# Altium PCB cyber60-alps-bkplate.PcbDoc
Units mm, origin at the board's own origin, x right, y up, seen from the top; angles counter-clockwise.
Board outline 285.75 x 95.25 mm, 2 copper layers (Component Side, Bottom Layer), stack 1.571 mm thick; 9 components, 142 nets, 27 pads, 0 vias.
Unrouted connection lines stored in the file: 6.
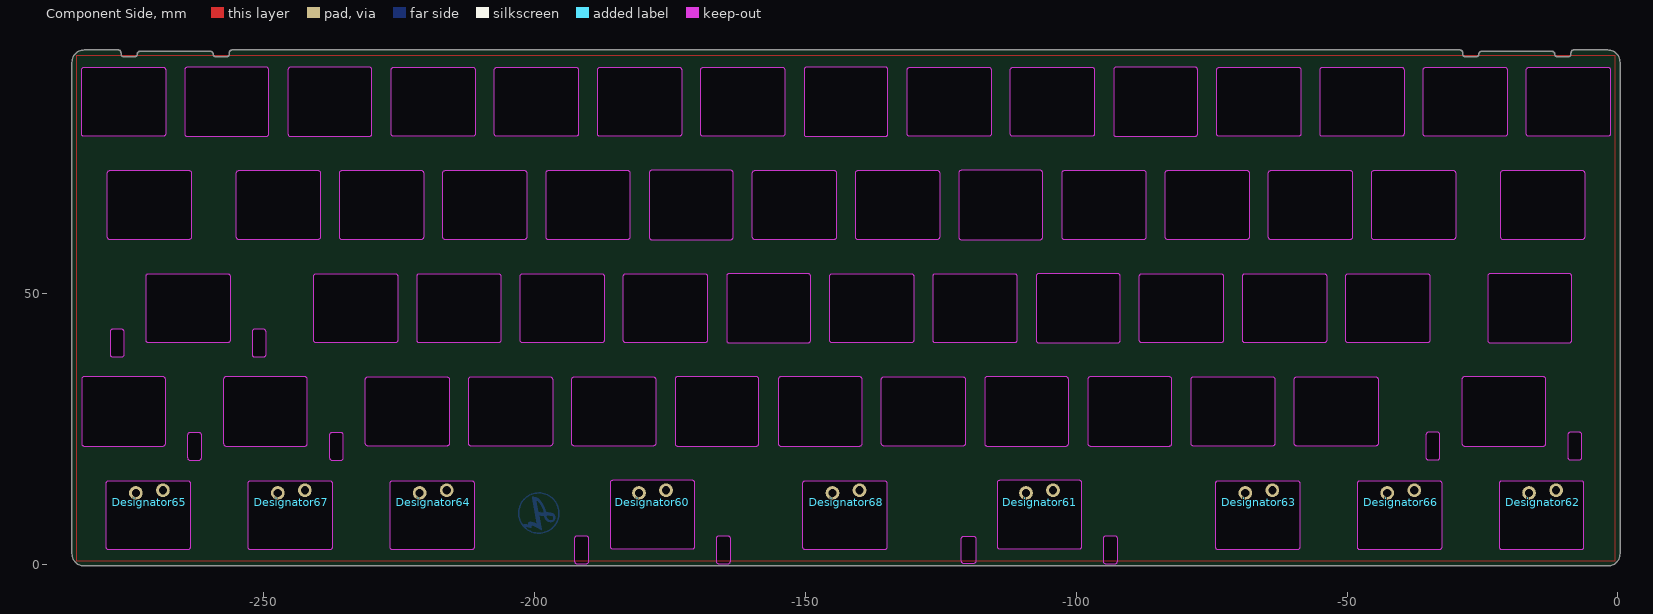
[diagram p0: Component Side view]
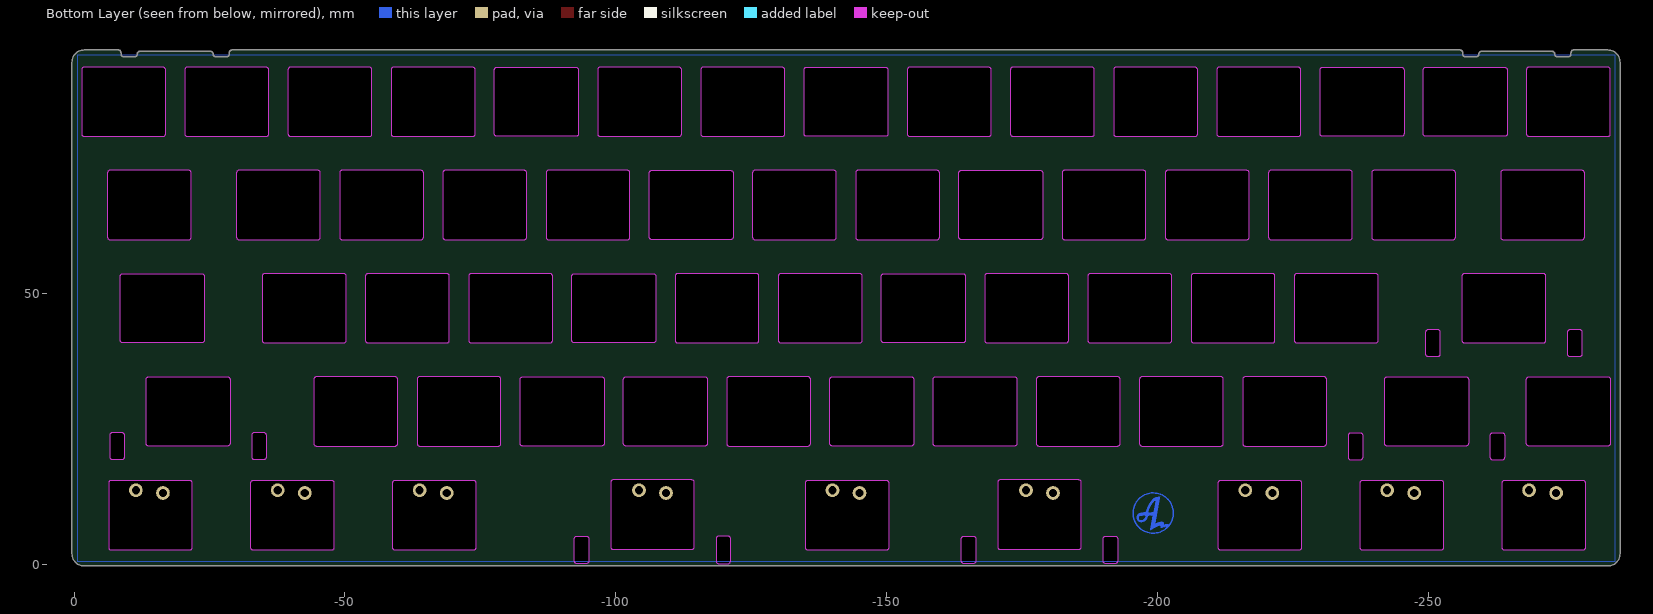
[diagram p1: Bottom Layer view, seen from below]

## Layer stack, top to bottom
Top Solder: solder mask 0.0102, Solder Resist, Dk 3.5
Component Side: signal copper 0.0356
Dielectric 1: core 1.5, FR-4, Dk 4.2
Bottom Layer: signal copper 0.0356
Solder Side: solder mask 0.0102, Solder Resist, Dk 3.5

## Board outline
-285.375,1.985 ccw(c-283.125,1.985) -283.125,-0.265 -1.875,-0.265 ccw(c-1.875,1.985) 0.375,1.985 0.375,92.735 ccw(c-1.875,92.735) -1.875,94.985 -8.175,94.985 ccw(c-8.175,94.485) -8.675,94.485 -8.675,94.235 cw(c-9.175,94.235) -9.175,93.735 -11.175,93.735 cw(c-11.175,94.235) -11.675,94.235 ccw(c-12.175,94.235) -12.175,94.735 -25.175,94.735 ccw(c-25.175,94.235) -25.675,94.235 cw(c-26.175,94.235) -26.175,93.735 -28.175,93.735 cw(c-28.175,94.235) -28.675,94.235 -28.675,94.485 ccw(c-29.175,94.485) -29.175,94.985 -255.825,94.985 ccw(c-255.825,94.485) -256.325,94.485 -256.325,94.235 cw(c-256.825,94.235) -256.825,93.735 -258.825,93.735 cw(c-258.825,94.235) -259.325,94.235 ccw(c-259.825,94.235) -259.825,94.735 -272.825,94.735 ccw(c-272.825,94.235) -273.325,94.235 cw(c-273.825,94.235) -273.825,93.735 -275.825,93.735 cw(c-275.825,94.235) -276.325,94.235 -276.325,94.485 ccw(c-276.825,94.485) -276.825,94.985 -283.125,94.985 ccw(c-283.125,92.735) -285.375,92.735
cut-out: -185.968,3.315 -185.968,15.115 cw(c-185.468,15.115) -185.468,15.615 -170.968,15.615 cw(c-170.968,15.115) -170.468,15.115 -170.468,3.315 cw(c-170.968,3.315) -170.968,2.815 -185.468,2.815 cw(c-185.468,3.315)
cut-out: -192.638,0.659 ccw(c-192.138,0.659) -192.138,0.159 -190.468,0.159 ccw(c-190.468,0.659) -189.968,0.659 -189.968,4.759 ccw(c-190.468,4.759) -190.468,5.259 -192.138,5.259 ccw(c-192.138,4.759) -192.638,4.759
cut-out: -166.468,0.659 ccw(c-165.968,0.659) -165.968,0.159 -164.298,0.159 ccw(c-164.298,0.659) -163.798,0.659 -163.798,4.759 ccw(c-164.298,4.759) -164.298,5.259 -165.968,5.259 ccw(c-165.968,4.759) -166.468,4.759
cut-out: -95.031,0.659 ccw(c-94.531,0.659) -94.531,0.159 -92.861,0.159 ccw(c-92.861,0.659) -92.361,0.659 -92.361,4.759 ccw(c-92.861,4.759) -92.861,5.259 -94.531,5.259 ccw(c-94.531,4.759) -95.031,4.759
cut-out: -114.531,3.315 -114.531,15.115 cw(c-114.031,15.115) -114.031,15.615 -99.531,15.615 cw(c-99.531,15.115) -99.031,15.115 -99.031,3.315 cw(c-99.531,3.315) -99.531,2.815 -114.031,2.815 cw(c-114.031,3.315)
cut-out: -121.201,0.659 -121.201,4.759 cw(c-120.701,4.759) -120.701,5.259 -119.031,5.259 cw(c-119.031,4.759) -118.531,4.759 -118.531,0.659 cw(c-119.031,0.659) -119.031,0.159 -120.701,0.159 cw(c-120.701,0.659)
cut-out: -237.856,19.765 ccw(c-237.356,19.765) -237.356,19.265 -235.756,19.265 ccw(c-235.756,19.765) -235.256,19.765 -235.256,23.865 ccw(c-235.756,23.865) -235.756,24.365 -237.356,24.365 ccw(c-237.356,23.865) -237.856,23.865
cut-out: -257.406,22.365 ccw(c-256.906,22.365) -256.906,21.865 -242.406,21.865 ccw(c-242.406,22.365) -241.906,22.365 -241.906,34.165 ccw(c-242.406,34.165) -242.406,34.665 -256.906,34.665 ccw(c-256.906,34.165) -257.406,34.165
cut-out: -264.056,19.765 ccw(c-263.556,19.765) -263.556,19.265 -261.956,19.265 ccw(c-261.956,19.765) -261.456,19.765 -261.456,23.865 ccw(c-261.956,23.865) -261.956,24.365 -263.556,24.365 ccw(c-263.556,23.865) -264.056,23.865
cut-out: -283.6,22.365 ccw(c-283.1,22.365) -283.1,21.865 -268.6,21.865 ccw(c-268.6,22.365) -268.1,22.365 -268.1,34.165 ccw(c-268.6,34.165) -268.6,34.665 -283.1,34.665 ccw(c-283.1,34.165) -283.6,34.165
cut-out: -283.6,79.515 -283.6,91.315 cw(c-283.1,91.315) -283.1,91.815 -268.6,91.815 cw(c-268.6,91.315) -268.1,91.315 -268.1,79.515 cw(c-268.6,79.515) -268.6,79.015 -283.1,79.015 cw(c-283.1,79.515)
cut-out: -264.55,79.515 ccw(c-264.05,79.515) -264.05,79.015 -249.55,79.015 ccw(c-249.55,79.515) -249.05,79.515 -249.05,91.315 ccw(c-249.55,91.315) -249.55,91.815 -264.05,91.815 ccw(c-264.05,91.315) -264.55,91.315
cut-out: -9.256,19.815 ccw(c-8.756,19.815) -8.756,19.315 -7.156,19.315 ccw(c-7.156,19.815) -6.656,19.815 -6.656,23.915 ccw(c-7.156,23.915) -7.156,24.415 -8.756,24.415 ccw(c-8.756,23.915) -9.256,23.915
cut-out: -35.456,19.815 ccw(c-34.956,19.815) -34.956,19.315 -33.356,19.315 ccw(c-33.356,19.815) -32.856,19.815 -32.856,23.915 ccw(c-33.356,23.915) -33.356,24.415 -34.956,24.415 ccw(c-34.956,23.915) -35.456,23.915
cut-out: -16.9,79.515 -16.9,91.315 cw(c-16.4,91.315) -16.4,91.815 -1.9,91.815 cw(c-1.9,91.315) -1.4,91.315 -1.4,79.515 cw(c-1.9,79.515) -1.9,79.015 -16.4,79.015 cw(c-16.4,79.515)
cut-out: -35.95,79.515 -35.95,91.315 cw(c-35.45,91.315) -35.45,91.815 -20.95,91.815 cw(c-20.95,91.315) -20.45,91.315 -20.45,79.515 cw(c-20.95,79.515) -20.95,79.015 -35.45,79.015 cw(c-35.45,79.515)
cut-out: -55,79.515 -55,91.315 cw(c-54.5,91.315) -54.5,91.815 -40,91.815 cw(c-40,91.315) -39.5,91.315 -39.5,79.515 cw(c-40,79.515) -40,79.015 -54.5,79.015 cw(c-54.5,79.515)
cut-out: -74.05,79.515 -74.05,91.315 cw(c-73.55,91.315) -73.55,91.815 -59.05,91.815 cw(c-59.05,91.315) -58.55,91.315 -58.55,79.515 cw(c-59.05,79.515) -59.05,79.015 -73.55,79.015 cw(c-73.55,79.515)
cut-out: -45.475,60.465 -45.475,72.265 cw(c-44.975,72.265) -44.975,72.765 -30.475,72.765 cw(c-30.475,72.265) -29.975,72.265 -29.975,60.465 cw(c-30.475,60.465) -30.475,59.965 -44.975,59.965 cw(c-44.975,60.465)
cut-out: -21.662,60.465 -21.662,72.265 cw(c-21.163,72.265) -21.163,72.765 -6.662,72.765 cw(c-6.662,72.265) -6.162,72.265 -6.162,60.465 cw(c-6.662,60.465) -6.662,59.965 -21.163,59.965 cw(c-21.163,60.465)
cut-out: -24.044,41.415 ccw(c-23.544,41.415) -23.544,40.915 -9.044,40.915 ccw(c-9.044,41.415) -8.544,41.415 -8.544,53.215 ccw(c-9.044,53.215) -9.044,53.715 -23.544,53.715 ccw(c-23.544,53.215) -24.044,53.215
cut-out: -50.237,41.415 -50.237,53.215 cw(c-49.738,53.215) -49.738,53.715 -35.237,53.715 cw(c-35.237,53.215) -34.737,53.215 -34.737,41.415 cw(c-35.237,41.415) -35.237,40.915 -49.738,40.915 cw(c-49.738,41.415)
cut-out: -48.064,3.209 -48.064,15.009 cw(c-47.564,15.009) -47.564,15.509 -33.064,15.509 cw(c-33.064,15.009) -32.564,15.009 -32.564,3.209 cw(c-33.064,3.209) -33.064,2.709 -47.564,2.709 cw(c-47.564,3.209)
cut-out: -21.87,3.209 -21.87,15.009 cw(c-21.37,15.009) -21.37,15.509 -6.87,15.509 cw(c-6.87,15.009) -6.37,15.009 -6.37,3.209 cw(c-6.87,3.209) -6.87,2.709 -21.37,2.709 cw(c-21.37,3.209)
cut-out: -28.806,22.365 ccw(c-28.306,22.365) -28.306,21.865 -13.806,21.865 ccw(c-13.806,22.365) -13.306,22.365 -13.306,34.165 ccw(c-13.806,34.165) -13.806,34.665 -28.306,34.665 ccw(c-28.306,34.165) -28.806,34.165
cut-out: -64.525,60.465 -64.525,72.265 cw(c-64.025,72.265) -64.025,72.765 -49.525,72.765 cw(c-49.525,72.265) -49.025,72.265 -49.025,60.465 cw(c-49.525,60.465) -49.525,59.965 -64.025,59.965 cw(c-64.025,60.465)
cut-out: -83.575,60.465 -83.575,72.265 cw(c-83.075,72.265) -83.075,72.765 -68.575,72.765 cw(c-68.575,72.265) -68.075,72.265 -68.075,60.465 cw(c-68.575,60.465) -68.575,59.965 -83.075,59.965 cw(c-83.075,60.465)
cut-out: -93.1,79.515 ccw(c-92.6,79.515) -92.6,79.015 -78.1,79.015 ccw(c-78.1,79.515) -77.6,79.515 -77.6,91.315 ccw(c-78.1,91.315) -78.1,91.815 -92.6,91.815 ccw(c-92.6,91.315) -93.1,91.315
cut-out: -112.15,79.515 -112.15,91.315 cw(c-111.65,91.315) -111.65,91.815 -97.15,91.815 cw(c-97.15,91.315) -96.65,91.315 -96.65,79.515 cw(c-97.15,79.515) -97.15,79.015 -111.65,79.015 cw(c-111.65,79.515)
cut-out: -131.2,79.515 -131.2,91.315 cw(c-130.7,91.315) -130.7,91.815 -116.2,91.815 cw(c-116.2,91.315) -115.7,91.315 -115.7,79.515 cw(c-116.2,79.515) -116.2,79.015 -130.7,79.015 cw(c-130.7,79.515)
cut-out: -150.25,79.515 ccw(c-149.75,79.515) -149.75,79.015 -135.25,79.015 ccw(c-135.25,79.515) -134.75,79.515 -134.75,91.315 ccw(c-135.25,91.315) -135.25,91.815 -149.75,91.815 ccw(c-149.75,91.315) -150.25,91.315
cut-out: -102.625,60.465 -102.625,72.265 cw(c-102.125,72.265) -102.125,72.765 -87.625,72.765 cw(c-87.625,72.265) -87.125,72.265 -87.125,60.465 cw(c-87.625,60.465) -87.625,59.965 -102.125,59.965 cw(c-102.125,60.465)
cut-out: -69.287,41.415 -69.287,53.215 cw(c-68.788,53.215) -68.788,53.715 -54.287,53.715 cw(c-54.287,53.215) -53.787,53.215 -53.787,41.415 cw(c-54.287,41.415) -54.287,40.915 -68.788,40.915 cw(c-68.788,41.415)
cut-out: -59.762,22.365 -59.762,34.165 cw(c-59.263,34.165) -59.263,34.665 -44.762,34.665 cw(c-44.762,34.165) -44.262,34.165 -44.262,22.365 cw(c-44.762,22.365) -44.762,21.865 -59.263,21.865 cw(c-59.263,22.365)
cut-out: -78.812,22.365 -78.812,34.165 cw(c-78.313,34.165) -78.313,34.665 -63.812,34.665 cw(c-63.812,34.165) -63.312,34.165 -63.312,22.365 cw(c-63.812,22.365) -63.812,21.865 -78.313,21.865 cw(c-78.313,22.365)
cut-out: -88.337,41.415 -88.337,53.215 cw(c-87.838,53.215) -87.838,53.715 -73.337,53.715 cw(c-73.337,53.215) -72.837,53.215 -72.837,41.415 cw(c-73.337,41.415) -73.337,40.915 -87.838,40.915 cw(c-87.838,41.415)
cut-out: -107.387,41.415 ccw(c-106.888,41.415) -106.888,40.915 -92.387,40.915 ccw(c-92.387,41.415) -91.887,41.415 -91.887,53.215 ccw(c-92.387,53.215) -92.387,53.715 -106.888,53.715 ccw(c-106.888,53.215) -107.387,53.215
cut-out: -121.675,60.465 ccw(c-121.175,60.465) -121.175,59.965 -106.675,59.965 ccw(c-106.675,60.465) -106.175,60.465 -106.175,72.265 ccw(c-106.675,72.265) -106.675,72.765 -121.175,72.765 ccw(c-121.175,72.265) -121.675,72.265
cut-out: -140.725,60.465 -140.725,72.265 cw(c-140.225,72.265) -140.225,72.765 -125.725,72.765 cw(c-125.725,72.265) -125.225,72.265 -125.225,60.465 cw(c-125.725,60.465) -125.725,59.965 -140.225,59.965 cw(c-140.225,60.465)
cut-out: -159.775,60.465 -159.775,72.265 cw(c-159.275,72.265) -159.275,72.765 -144.775,72.765 cw(c-144.775,72.265) -144.275,72.265 -144.275,60.465 cw(c-144.775,60.465) -144.775,59.965 -159.275,59.965 cw(c-159.275,60.465)
cut-out: -126.437,41.415 -126.437,53.215 cw(c-125.938,53.215) -125.938,53.715 -111.437,53.715 cw(c-111.437,53.215) -110.937,53.215 -110.937,41.415 cw(c-111.437,41.415) -111.437,40.915 -125.938,40.915 cw(c-125.938,41.415)
cut-out: -145.487,41.415 -145.487,53.215 cw(c-144.988,53.215) -144.988,53.715 -130.487,53.715 cw(c-130.487,53.215) -129.987,53.215 -129.987,41.415 cw(c-130.487,41.415) -130.487,40.915 -144.988,40.915 cw(c-144.988,41.415)
cut-out: -164.537,41.415 ccw(c-164.038,41.415) -164.038,40.915 -149.537,40.915 ccw(c-149.537,41.415) -149.037,41.415 -149.037,53.215 ccw(c-149.537,53.215) -149.537,53.715 -164.038,53.715 ccw(c-164.038,53.215) -164.537,53.215
cut-out: -155.012,22.365 ccw(c-154.513,22.365) -154.513,21.865 -140.012,21.865 ccw(c-140.012,22.365) -139.512,22.365 -139.512,34.165 ccw(c-140.012,34.165) -140.012,34.665 -154.513,34.665 ccw(c-154.513,34.165) -155.012,34.165
cut-out: -135.962,22.365 -135.962,34.165 cw(c-135.463,34.165) -135.463,34.665 -120.962,34.665 cw(c-120.962,34.165) -120.462,34.165 -120.462,22.365 cw(c-120.962,22.365) -120.962,21.865 -135.463,21.865 cw(c-135.463,22.365)
cut-out: -116.912,22.365 ccw(c-116.413,22.365) -116.413,21.865 -101.912,21.865 ccw(c-101.912,22.365) -101.412,22.365 -101.412,34.165 ccw(c-101.912,34.165) -101.912,34.665 -116.413,34.665 ccw(c-116.413,34.165) -116.912,34.165
cut-out: -97.862,22.365 ccw(c-97.363,22.365) -97.363,21.865 -82.862,21.865 ccw(c-82.862,22.365) -82.362,22.365 -82.362,34.165 ccw(c-82.862,34.165) -82.862,34.665 -97.363,34.665 ccw(c-97.363,34.165) -97.862,34.165
cut-out: -74.257,3.209 -74.257,15.009 cw(c-73.757,15.009) -73.757,15.509 -59.257,15.509 cw(c-59.257,15.009) -58.757,15.009 -58.757,3.209 cw(c-59.257,3.209) -59.257,2.709 -73.757,2.709 cw(c-73.757,3.209)
cut-out: -150.457,3.209 -150.457,15.009 cw(c-149.957,15.009) -149.957,15.509 -135.457,15.509 cw(c-135.457,15.009) -134.957,15.009 -134.957,3.209 cw(c-135.457,3.209) -135.457,2.709 -149.957,2.709 cw(c-149.957,3.209)
cut-out: -174.062,22.365 ccw(c-173.563,22.365) -173.563,21.865 -159.062,21.865 ccw(c-159.062,22.365) -158.562,22.365 -158.562,34.165 ccw(c-159.062,34.165) -159.062,34.665 -173.563,34.665 ccw(c-173.563,34.165) -174.062,34.165
cut-out: -193.112,22.365 -193.112,34.165 cw(c-192.613,34.165) -192.613,34.665 -178.112,34.665 cw(c-178.112,34.165) -177.612,34.165 -177.612,22.365 cw(c-178.112,22.365) -178.112,21.865 -192.613,21.865 cw(c-192.613,22.365)
cut-out: -279.045,3.209 -279.045,15.009 cw(c-278.545,15.009) -278.545,15.509 -264.045,15.509 cw(c-264.045,15.009) -263.545,15.009 -263.545,3.209 cw(c-264.045,3.209) -264.045,2.709 -278.545,2.709 cw(c-278.545,3.209)
cut-out: -252.851,3.209 -252.851,15.009 cw(c-252.351,15.009) -252.351,15.509 -237.851,15.509 cw(c-237.851,15.009) -237.351,15.009 -237.351,3.209 cw(c-237.851,3.209) -237.851,2.709 -252.351,2.709 cw(c-252.351,3.209)
cut-out: -226.657,3.209 -226.657,15.009 cw(c-226.157,15.009) -226.157,15.509 -211.657,15.509 cw(c-211.657,15.009) -211.157,15.009 -211.157,3.209 cw(c-211.657,3.209) -211.657,2.709 -226.157,2.709 cw(c-226.157,3.209)
cut-out: -212.162,22.365 -212.162,34.165 cw(c-211.663,34.165) -211.663,34.665 -197.162,34.665 cw(c-197.162,34.165) -196.662,34.165 -196.662,22.365 cw(c-197.162,22.365) -197.162,21.865 -211.663,21.865 cw(c-211.663,22.365)
cut-out: -231.212,22.365 -231.212,34.165 cw(c-230.713,34.165) -230.713,34.665 -216.212,34.665 cw(c-216.212,34.165) -215.712,34.165 -215.712,22.365 cw(c-216.212,22.365) -216.212,21.865 -230.713,21.865 cw(c-230.713,22.365)
cut-out: -169.3,79.515 -169.3,91.315 cw(c-168.8,91.315) -168.8,91.815 -154.3,91.815 cw(c-154.3,91.315) -153.8,91.315 -153.8,79.515 cw(c-154.3,79.515) -154.3,79.015 -168.8,79.015 cw(c-168.8,79.515)
cut-out: -188.35,79.515 -188.35,91.315 cw(c-187.85,91.315) -187.85,91.815 -173.35,91.815 cw(c-173.35,91.315) -172.85,91.315 -172.85,79.515 cw(c-173.35,79.515) -173.35,79.015 -187.85,79.015 cw(c-187.85,79.515)
cut-out: -178.825,60.465 ccw(c-178.325,60.465) -178.325,59.965 -163.825,59.965 ccw(c-163.825,60.465) -163.325,60.465 -163.325,72.265 ccw(c-163.825,72.265) -163.825,72.765 -178.325,72.765 ccw(c-178.325,72.265) -178.825,72.265
cut-out: -183.587,41.415 -183.587,53.215 cw(c-183.088,53.215) -183.088,53.715 -168.587,53.715 cw(c-168.587,53.215) -168.087,53.215 -168.087,41.415 cw(c-168.587,41.415) -168.587,40.915 -183.088,40.915 cw(c-183.088,41.415)
cut-out: -202.637,41.415 -202.637,53.215 cw(c-202.138,53.215) -202.138,53.715 -187.637,53.715 cw(c-187.637,53.215) -187.137,53.215 -187.137,41.415 cw(c-187.637,41.415) -187.637,40.915 -202.138,40.915 cw(c-202.138,41.415)
cut-out: -221.687,41.415 -221.687,53.215 cw(c-221.188,53.215) -221.188,53.715 -206.687,53.715 cw(c-206.687,53.215) -206.187,53.215 -206.187,41.415 cw(c-206.687,41.415) -206.687,40.915 -221.188,40.915 cw(c-221.188,41.415)
cut-out: -197.875,60.465 -197.875,72.265 cw(c-197.375,72.265) -197.375,72.765 -182.875,72.765 cw(c-182.875,72.265) -182.375,72.265 -182.375,60.465 cw(c-182.875,60.465) -182.875,59.965 -197.375,59.965 cw(c-197.375,60.465)
cut-out: -216.925,60.465 -216.925,72.265 cw(c-216.425,72.265) -216.425,72.765 -201.925,72.765 cw(c-201.925,72.265) -201.425,72.265 -201.425,60.465 cw(c-201.925,60.465) -201.925,59.965 -216.425,59.965 cw(c-216.425,60.465)
cut-out: -240.737,41.415 -240.737,53.215 cw(c-240.238,53.215) -240.238,53.715 -225.737,53.715 cw(c-225.737,53.215) -225.237,53.215 -225.237,41.415 cw(c-225.737,41.415) -225.737,40.915 -240.238,40.915 cw(c-240.238,41.415)
cut-out: -235.975,60.465 -235.975,72.265 cw(c-235.475,72.265) -235.475,72.765 -220.975,72.765 cw(c-220.975,72.265) -220.475,72.265 -220.475,60.465 cw(c-220.975,60.465) -220.975,59.965 -235.475,59.965 cw(c-235.475,60.465)
cut-out: -255.025,60.465 -255.025,72.265 cw(c-254.525,72.265) -254.525,72.765 -240.025,72.765 cw(c-240.025,72.265) -239.525,72.265 -239.525,60.465 cw(c-240.025,60.465) -240.025,59.965 -254.525,59.965 cw(c-254.525,60.465)
cut-out: -252.144,38.815 ccw(c-251.644,38.815) -251.644,38.315 -250.044,38.315 ccw(c-250.044,38.815) -249.544,38.815 -249.544,42.915 ccw(c-250.044,42.915) -250.044,43.415 -251.644,43.415 ccw(c-251.644,42.915) -252.144,42.915
cut-out: -278.344,38.815 ccw(c-277.844,38.815) -277.844,38.315 -276.244,38.315 ccw(c-276.244,38.815) -275.744,38.815 -275.744,42.915 ccw(c-276.244,42.915) -276.244,43.415 -277.844,43.415 ccw(c-277.844,42.915) -278.344,42.915
cut-out: -271.694,41.415 -271.694,53.215 cw(c-271.194,53.215) -271.194,53.715 -256.694,53.715 cw(c-256.694,53.215) -256.194,53.215 -256.194,41.415 cw(c-256.694,41.415) -256.694,40.915 -271.194,40.915 cw(c-271.194,41.415)
cut-out: -278.837,60.465 -278.837,72.265 cw(c-278.338,72.265) -278.338,72.765 -263.837,72.765 cw(c-263.837,72.265) -263.337,72.265 -263.337,60.465 cw(c-263.837,60.465) -263.837,59.965 -278.338,59.965 cw(c-278.338,60.465)
cut-out: -207.4,79.515 -207.4,91.315 cw(c-206.9,91.315) -206.9,91.815 -192.4,91.815 cw(c-192.4,91.315) -191.9,91.315 -191.9,79.515 cw(c-192.4,79.515) -192.4,79.015 -206.9,79.015 cw(c-206.9,79.515)
cut-out: -226.45,79.515 -226.45,91.315 cw(c-225.95,91.315) -225.95,91.815 -211.45,91.815 cw(c-211.45,91.315) -210.95,91.315 -210.95,79.515 cw(c-211.45,79.515) -211.45,79.015 -225.95,79.015 cw(c-225.95,79.515)
cut-out: -245.5,79.515 ccw(c-245,79.515) -245,79.015 -230.5,79.015 ccw(c-230.5,79.515) -230,79.515 -230,91.315 ccw(c-230.5,91.315) -230.5,91.815 -245,91.815 ccw(c-245,91.315) -245.5,91.315

## Design rules (kind name [scope] priority, off if disabled: settings)
BoardOutlineClearance [All] p1: gap=0.305 ignorepadtopadclearanceinfootprint=FALSE except(0: Arc-SplitContinuation Track-SplitContinuation SMDPad-SplitContinuation THPad-SplitContinuation Via-SplitContinuation Fill-SplitContinuation Poly-SplitContinuation Region-SplitContinuation Text-SplitContinuation)
Clearance [All] p1: gap=0.2 ignorepadtopadclearanceinfootprint=FALSE except(0: Arc-Hole Track-Hole SMDPad-Hole THPad-Hole Via-Hole Fill-Hole Poly-Hole Region-Hole Text-Hole; 0.254: THPad-THPad THPad-Via THPad-Fill THPad-Poly THPad-Region THPad-Text Via-Via Via-Fill Via-Poly Via-Region Via-Text Fill-Fill Fill-Poly Fill-Region Fill-Text Poly-Poly Poly-Region Poly-Text Region-Region Region-Text Text-Text)
ComponentClearance [InComponent('No Component') And OnLayer('Component Side')] p1: gap=0.254 collisioncheckmode=3 verticalgap=0.254 showdistances=FALSE
DiffPairsRouting DiffPairsRouting_USB [InDifferentialPairClass('All Differential Pairs')] p1: maxlimit=0.254 minlimit=0.203 mostfreqgap=0.203 toplayer_minwidth=0.152 toplayer_maxwidth=0.381 toplayer_prefwidth=0.152 bottomlayer_minwidth=0.152 bottomlayer_maxwidth=0.381 bottomlayer_prefwidth=0.152 maxuncoupledlength=12.7
DiffPairsRouting [All] p2: maxlimit=0.254 minlimit=0.254 mostfreqgap=0.254 toplayer_minwidth=0.381 toplayer_maxwidth=0.381 toplayer_prefwidth=0.381 bottomlayer_minwidth=0.381 bottomlayer_maxwidth=0.381 bottomlayer_prefwidth=0.381 maxuncoupledlength=12.7
HoleSize [All] p1: absolutevalues=TRUE maxlimit=20 minlimit=0.025 maxpercent=80.000 minpercent=20.000
MatchedLengths MatchedLengths_USB_DiffPairs_1 [All] p1: tolerance=0.127 checknetsindiffpair=TRUE checkdiffpairvsdiffpair=FALSE checkxsignals=FALSE checkothers=FALSE
MatchedLengths MatchedLengths_USB_DiffPairs [All] p2: tolerance=0.127 checknetsindiffpair=TRUE checkdiffpairvsdiffpair=FALSE checkxsignals=FALSE checkothers=FALSE
PolygonConnect PolygonConnect_1 [All vs IsVia] p1: connectstyle=Direct reliefconductorwidth=0.254 reliefentries=4 polygonreliefangle="90 Angle" airgapwidth=0.254
PolygonConnect [All] p2: connectstyle=Relief reliefconductorwidth=0.254 reliefentries=4 polygonreliefangle="90 Angle" airgapwidth=0.254
RoutingVias [All] p1: holewidth=0.711 width=1.27 viastyle="Through Hole" minholewidth=0.3 minwidth=0.6 maxholewidth=0.711 maxwidth=1.27
SolderMaskExpansion [All] p1: expansion=0.102 istentingtop=FALSE
Width [All] p1: maxlimit=1.016 minlimit=0.203 preferedwidth=0.203
27 further rules are at their usual default settings.

## Classes and differential pairs
component class Designator: 2 C201 C202 C203 C204 C205 C206
differential pair D: +D_P -D_N

## Components (designator, comment, footprint, x,y, rotation, side; value= is the part's Value field where it differs from the comment)
Designator60 "Comment" "ALPS-switch - 2.75U - no stab" -178.218,9.215 r0 top
Designator61 "Comment" "ALPS-switch - 2.75U - no stab" -106.78,9.215 r0 top
Designator62 "Comment" "ALPS-switch - 1.5U" -13.912,9.215 r0 top
Designator63 "Comment" "ALPS-switch - 1.5U" -66.299,9.215 r0 top
Designator64 "Comment" "ALPS-switch - 1.5U" -218.699,9.215 r0 top
Designator65 "Comment" "ALPS-switch - 1.5U" -271.087,9.215 r0 top
Designator66 "Comment" "ALPS-switch - 1.25U" -40.1,9.215 r0 top
Designator67 "Comment" "ALPS-switch - 1.25U" -244.888,9.215 r0 top
Designator68 "Comment" Alps-switch -142.499,9.215 r0 top

## Footprints (in the part's own frame and the unit in brackets; to place one, negate y for a bottom-side part, rotate by r counter-clockwise, add the part's x,y. Pads: shape width x height; smd on the part's side, far side on the other; paste and mask are expansions set on the pad)
Alps-switch [mm]
  round 2.54 hole 1.499 mask-0.5: 1(-2.5,4) 2(2.5,4.5)
  round 1 on Mech13: ""(0,0)
"ALPS-switch - 1.5U" [mm]
  round 2.54 hole 1.499 mask-0.5: 1(-2.5,4) 2(2.5,4.5)
  round 1 on Mech13: ""(0,0)
"ALPS-switch - 1.25U" [mm]
  round 2.54 hole 1.499 mask-0.5: 1(-2.5,4) 2(2.5,4.5)
  round 1 on Mech13: ""(0,0)
"ALPS-switch - 2.75U - no stab" [mm]
  round 2.54 hole 1.499 mask-0.5: 1(-2.5,4) 2(2.5,4.5)
  round 1 on Mech13: ""(0,0)

## Nets (pads, with @x,y where several pads share a name; then routed paths per layer and width w, separated by ;. In a path a pad name is that pad's centre, name@x,y a point inside that pad or via, vN(x,y) a via of type N, cw(c..) or ccw(c..) an arc to the next point about the centre after c; other vN are vias at no path point)
BLUE: 
BUZZ: 
col1: 
col2: 
col3: 
col4: 
col5: 
col6: 
col7: 
D_N: 
D_P: 
ENC_A: 
ENC_B: 
GND: 
GREEN: 
NetBZ501_2: 
NetCON301_A5: 
NetCON301_B5: 
NetCON401_1: 
NetD201_1: 
NetD202_1: 
NetD203_1: 
NetD204_1: 
NetD205_1: 
NetD206_1: 
NetD207_1: 
NetD208_1: 
NetD209_1: 
NetD210_1: 
NetD211_1: 
NetD212_1: 
NetD213_1: 
NetD214_1: 
NetD215_1: 
NetD216_1: 
NetD217_1: 
NetD218_1: 
NetD219_1: 
NetD220_1: 
NetD221_1: 
NetD222_1: 
NetD223_1: 
NetD224_1: 
NetD225_1: 
NetD226_1: 
NetD227_1: 
NetD228_1: 
NetD229_1: 
NetD230_1: 
NetD231_1: 
NetD232_1: 
NetD233_1: 
NetD234_1: 
NetD235_1: 
NetD236_1: 
NetD237_1: 
NetD238_1: 
NetD239_1: 
NetD240_1: 
NetD241_1: 
NetD242_1: 
NetD243_1: 
NetD244_1: 
NetD245_1: 
NetD246_1: 
NetD247_1: 
NetD248_1: 
NetD249_1: 
NetD250_1: 
NetD251_1: 
NetD252_1: 
NetD253_1: 
NetD254_1: 
NetD255_1: 
NetD256_1: 
NetD257_1: 
NetD258_1: 
NetD259_1: 
NetD260_1: 
NetD261_1: 
NetD262_1: 
NetD263_1: 
NetD264_1: 
NetD265_1: 
NetD266_1: 
NetD267_1: 
NetD401_2: 
NetD501_2: 
NetD502_2: 
NetD503_2: 
NetD504_2: 
NetD505_2: 
NetD506_2: 
NetD507_2: 
NetD508_2: 
NetD509_2: 
NetD510_2: 
NetD511_2: 
NetD512_2: 
NetD513_2: 
NetD514_2: 
NetD515_2: 
NetD518_1: 
NetD518_2: 
NetD518_3: 
NetQ402_1: 
NetQ402_2: 
NetQ403_1: 
NetQ403_3: 
NetQ404_1: 
NetQ501_1: 
NetQ502_1: 
NetQ503_1: 
NetR401_1: 
NetR402_1: 
NetR501_1: 
NetR507_2: 
P0.02: 
P0.03: 
P0.04: 
P0.05: 
P0.12: 
P0.18/RESET: 
P0.19: 
P0.22: 
P0.28: 
P1.00: 
P1.04: 
P1.10: 
P1.11: 
RAW: 
ROT_SW_A1: 
row2: 
row3: 
SWDCLK: 
SWDIO: 
UG_OUT: 
VBAT: 
VBUS: 
VCC3V3: 
VCC_EXT: 
VSYS: 
pads on no net: Designator60. Designator60.1 Designator60.2 Designator61. Designator61.1 Designator61.2 Designator62. Designator62.1 Designator62.2 Designator63. Designator63.1 Designator63.2 Designator64. Designator64.1 Designator64.2 Designator65. Designator65.1 Designator65.2 Designator66. Designator66.1 Designator66.2 Designator67. Designator67.1 Designator67.2 Designator68. Designator68.1 Designator68.2
copper on no net: | length 23.4
  Bottom Layer w0.279: -202.921,9.627 ccw(c-199.203,9.503) -202.92,9.641

## Polygon pours and split planes (outlines as drawn)
GND on Bottom Layer "Component Side-No Net" (solid, remove dead copper, shelved, pour order 4): -0.635,93.995 -0.635,0.65 -284.48,0.65 -284.48,93.995
GND on Component Side "Component Side-No Net" (solid, remove dead copper, shelved, pour order 8): -0.635,93.995 -0.635,0.65 -284.48,0.65 -284.48,93.995

## Other copper
Bottom Layer:
  region: 1746 vertices and 2 holes, not listed, extent -202.097,6.373 -196.185,12.512

## Silkscreen, mask and mechanical layers (free items; w line width, h text height)
Solder Side:
  drawing of 2 lines, arcs and shapes, not listed
outline:
  drawing of 628 lines, arcs and shapes, not listed
Prophet:
  drawing of 447 lines, arcs and shapes, not listed
  text "PROPHET" at -20.347,93.6 h0.5
Plain60 - Flex:
  drawing of 558 lines, arcs and shapes, not listed
  text "PLAIN60" at -19.839,93.6 h0.5
Voyager60:
  drawing of 1064 lines, arcs and shapes, not listed
  text "VOYAGER60" at -20.474,93.6 h0.5
ArcticPCB:
  drawing of 445 lines, arcs and shapes, not listed
  text "ARCTICPCB" at -19.966,93.6 h0.5
GH60:
  drawing of 762 lines, arcs and shapes, not listed
  text "GH60" at -19.204,93.6 h0.5
Polaris:
  circle w0.013: c-9.15,85.415 r2.5
  lines w0.013: -22.675,97.915 -14.675,97.915 ; -18.675,96.415 -18.675,97.915 ; -15.65,78.415 -2.65,92.415 ; -284.45,1.715 ccw(c-282.7,1.715) -282.7,-0.035 -2.3,-0.035 ccw(c-2.3,1.715) -0.55,1.715 -0.55,92.915 ccw(c-2.3,92.915) -2.3,94.665 -12.5,94.665 cw(c-12.5,95.665) -13.492,95.54 ccw(c-14.484,95.415) -14.484,96.415 -22.866,96.415 ccw(c-22.866,95.415) -23.858,95.54 cw(c-24.85,95.665) -24.85,94.665 -282.7,94.665 ccw(c-282.7,92.915) -284.45,92.915 -284.45,1.715
  lines w0.1: -18.675,90 -18.675,93
  text "POLARIS" at -20.22,93.6 h0.5
Tsuki:
  drawing of 725 lines, arcs and shapes, not listed
  text "TSUKI" at -18.823,93.6 h0.5

## Dimensions
-0.15,92.415 to -284.85,92.415 on top dimensions
-9.15,0.215 to -7.177,94.415 on top dimensions
-0.15,92.415 to -284.85,92.415 on bot dimensions
-9.15,0.215 to -2.15,94.415 on bot dimensions